# KiCad board ips20.kicad_pcb (continued)
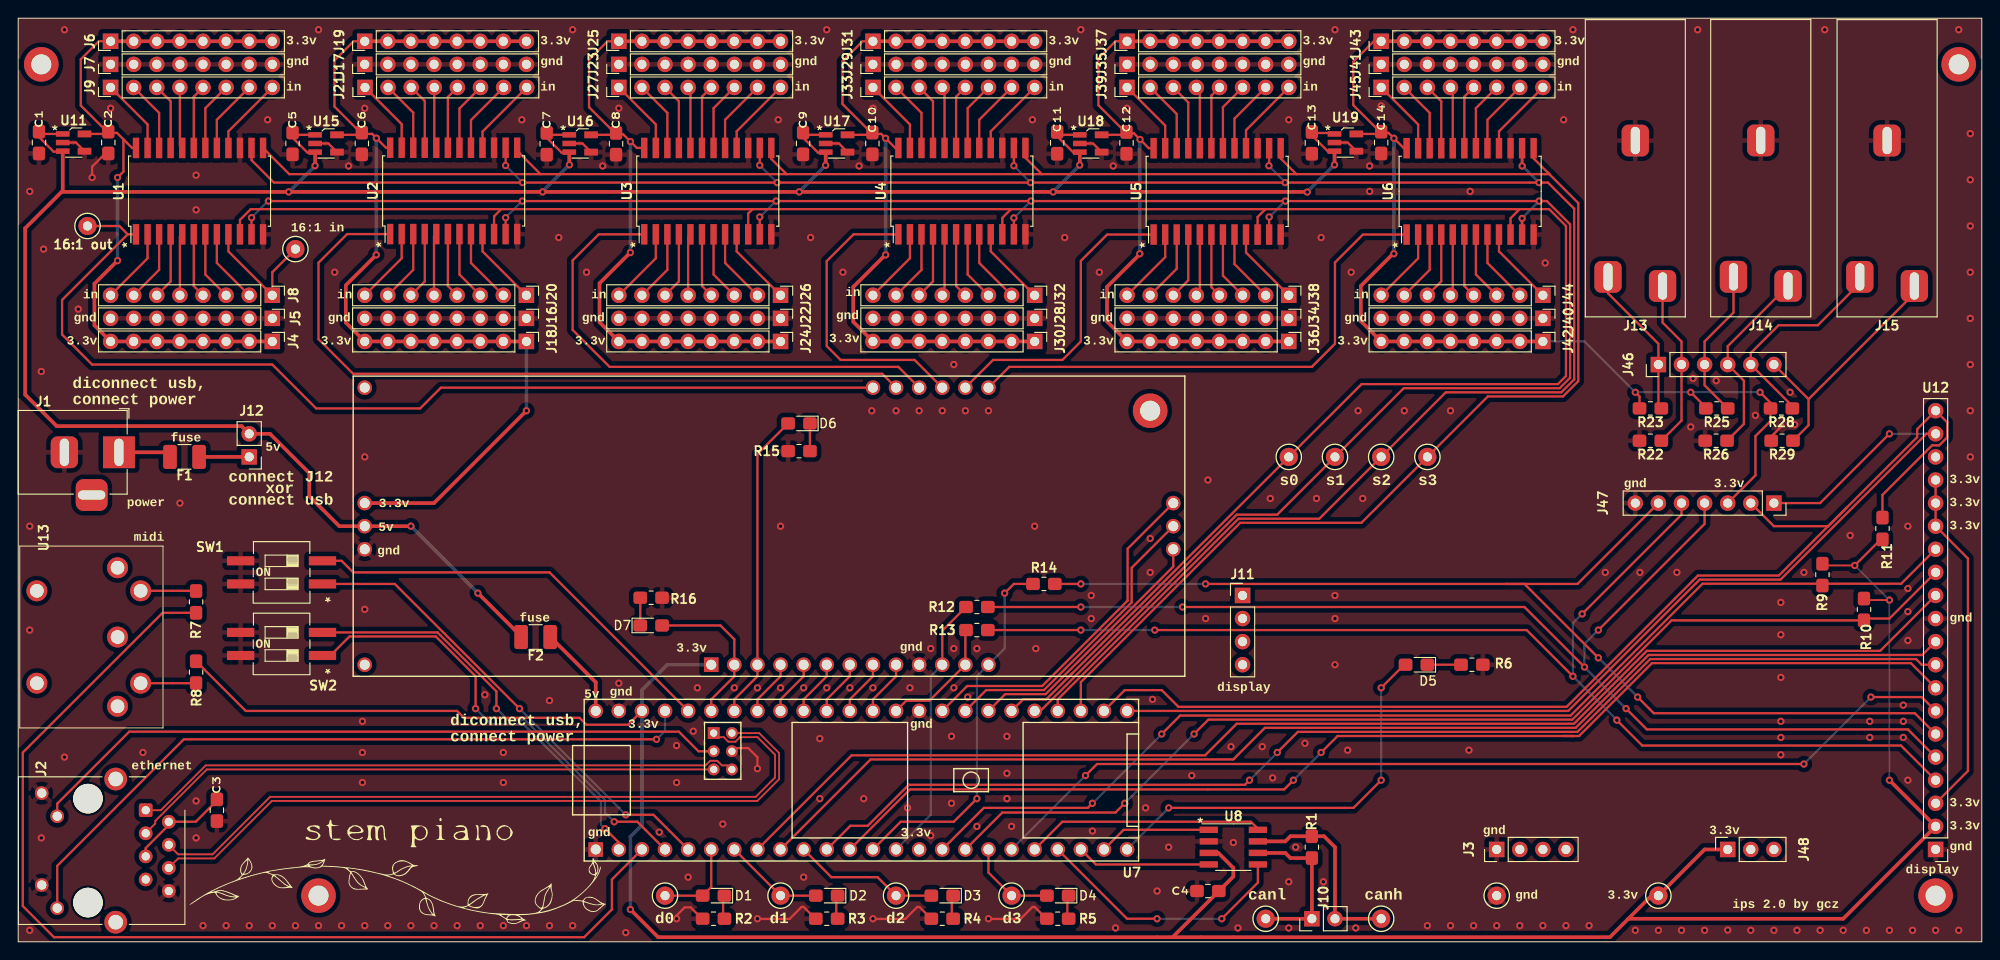
[diagram p0: board, top side]
## Nets (continued)
Net-(J44-Pin_3): J44.3 U6.7
Net-(J44-Pin_4): J44.4 U6.6
Net-(J44-Pin_5): J44.5 U6.5
Net-(J44-Pin_6): J44.6 U6.4
Net-(J44-Pin_7): J44.7 U6.3
Net-(J44-Pin_8): J44.8 U6.2
Net-(J45-Pin_1): J45.1 U6.23
Net-(J45-Pin_2): J45.2 U6.22
Net-(J45-Pin_3): J45.3 U6.21
Net-(J45-Pin_4): J45.4 U6.20
Net-(J45-Pin_5): J45.5 U6.19
Net-(J45-Pin_6): J45.6 U6.18
Net-(J45-Pin_7): J45.7 U6.17
Net-(J45-Pin_8): J45.8 U6.16
Net-(J46-Pin_1): J13.T J46.1 R23.1
Net-(J46-Pin_2): J13.TN J46.2 R22.1
Net-(J46-Pin_3): J14.T J46.3 R25.1
Net-(J46-Pin_4): J14.TN J46.4 R26.1
Net-(J46-Pin_5): J15.T J46.5 R28.1
Net-(J46-Pin_6): J15.TN J46.6 R29.1
Net-(J47-Pin_1): J47.1 U7.31 U12.19
Net-(J47-Pin_2): J47.2 R11.2 U7.32 U12.20
Net-(J47-Pin_4): J47.4 R12.2 U12.5
Net-(J47-Pin_5): J47.5 R13.2 U12.4
Net-(J47-Pin_6): J47.6 R14.2 U12.6
Net-(J48-Pin_1): C4.1 J48.1 R8.1 R9.1 R10.1 R11.1 TP22.1 U7.52 U8.3 U9.1 U12.2
Net-(U1-COM): TP5.1 U1.1 U9.22
Net-(U1-S0): TP12.1 U1.10 U2.10 U3.10 U4.10 U5.10 U6.10 U7.36
Net-(U1-S1): TP13.1 U1.11 U2.11 U3.11 U4.11 U5.11 U6.11 U7.35
Net-(U1-S2): TP14.1 U1.14 U2.14 U3.14 U4.14 U5.14 U6.14 U7.34
Net-(U1-S3): TP15.1 U1.13 U2.13 U3.13 U4.13 U5.13 U6.13 U7.33
Net-(U2-COM): U2.1 U9.21
Net-(U3-COM): U3.1 U9.20
Net-(U4-COM): U4.1 U9.19
Net-(U5-COM): U5.1 U9.18
Net-(U6-COM): U6.1 U9.17
Net-(U7-0_CS1_D7): SW2.1 U7.2
Net-(U7-1_MISO1_D6): R7.1 U7.3
Net-(U7-2_OUT2_D5): SW2.2 U7.4
Net-(U7-3_LRCLK2_D4): SW1.1 U7.5
Net-(U7-5VI/O): F2.2 U7.54
Net-(U7-11_MOSI): R14.1 U7.13 U9.13
Net-(U7-12_MISO): R12.1 U7.14 U9.11
Net-(U7-13_SCK): R13.1 U7.41 U9.12
Net-(U7-14_A0): U7.42 U9.9
Net-(U7-15_A1): U7.43 U9.8
Net-(U7-16_A2): U7.44 U9.7
Net-(U7-17_A3): U7.45 U9.6
Net-(U7-18_SDA_A4): U7.46 U9.5
Net-(U7-19_SCL_A5): U7.47 U9.4
Net-(U7-22_A8_TP2): SW1.2 U7.50
Net-(U7-28_RX7): U7.20 U8.8
Net-(U7-29_TX7): U7.21 U8.5
Net-(U7-30_CRX3): U7.22 U8.4
Net-(U7-31_CTX3): U7.23 U8.1
Net-(U7-39_A15_L6): U7.37 U9.14
Net-(U7-40_A16_L7): U7.38 U9.15
Net-(U7-41_A17): U7.39 U9.16
Net-(U12-3Vo): U12.3 U12.15 U12.16 U12.17
Net-(U12-CS): U7.19 U12.7
Net-(U12-D/C): U7.12 U12.8
Net-(U12-IRQ): U7.8 U12.12
Net-(U12-LITE): U7.9 U12.10
Net-(U12-RESET): U7.11 U12.9
Net-(U12-SCL): R9.2 U7.16 U12.14
Net-(U12-SDA): R10.2 U7.17 U12.13
Net-(U13-DATA): R7.2 U13.5
Net-(U13-VREF): R8.2 U13.4

Pads without a net: H1 1; H2 1; H3 1; H4 1; H5 1; J1 3; J2 7 13; J3 2 3 4; J11 1 2 3 4; J48 2 3; U7 15; U9 23 27; U12 18; U13 1 2 3

## Via types
v1: diameter 0.8, hole 0.4, Top to Bottom, 318 vias

## Routing (per net, layer and track width the routed paths; a pad name or vN(x,y) marks a point on that pad's centre or on a via; arc(x,y) is an arc through that point)
+5V: length 299
  Top w0.25: 88.79,86.82 87.93,86.82 86.3,88.45 C9.1 86.55,88.77 U17.1 ; U11.1 2.54,88.87 C1.1 2.29,88.53 3.9,86.92 4.9,86.92 ; 32.65,86.82 31.8,86.82 30.16,88.45 C5.1 30.41,88.77 U15.1 ; 144.73,86.92 144.03,86.92 142.24,88.71 C13.1 ; U18.1 114.55,88.77 C11.1 114.24,88.61 116.03,86.82 116.73,86.82 ; U16.1 58.33,88.77 C7.1 58.11,88.44 59.74,86.82 60.59,86.82 ; 142.27,88.97 144.73,88.97
  Top w0.4: v1(88.77,85.42) 88.79,85.43 88.79,86.77 ; 116.73,86.77 116.73,85.46 v1(116.71,85.45) ; v1(141.73,82.47) 141.72,82.49 v1(113.79,82.49) v1(85.88,82.49) v1(57.66,82.49) v1(29.74,82.49) 4.83,82.49 ; 114.3,88.87 114.24,88.93 114.24,88.58 ; 55.27,33.53 55.27,33.63 v1(50.55,38.35) ; v1(32.64,85.37) 32.65,85.38 32.65,86.77 ; 60.59,86.77 60.59,85.48 v1(60.6,85.47) ; v1(144.73,85.47) 144.73,85.47 144.73,86.87 ; U11.3 4.9,82.62 0.76,78.49 0.76,60.2 4.23,56.73 24.55,56.73 J12.2 27.69,55.88 32,51.56 32,49.02 35.31,45.72 v1(43.18,45.72) ; 86.3,88.58 86.3,88.87 ; 30.16,88.58 30.16,88.87
  Bottom w0.4: v1(32.64,85.37) 29.76,82.49 v1(29.74,82.49) ; v1(43.18,45.72) v1(50.55,38.35) ; v1(113.79,82.49) 113.79,82.52 v1(116.71,85.45) ; v1(144.73,85.47) v1(141.73,82.47) ; v1(88.77,85.42) 85.88,82.52 v1(85.88,82.49) ; v1(57.66,82.49) 57.66,82.52 v1(60.6,85.47)
GND: length 53.9
  Top w0.25: U7.28 78.47,20.96 78.82,21.31 80.26,21.31 81.28,20.29 v1(81.28,19.05) ; U16.4 62.04,87.82 U16.2 ; U11.2 6.35,87.92 U11.4 ; 194.06,56.9 192.74,55.58 R29.2 ; R3.2 87.66,2.54 86.36,3.84 86.13,3.84 84.81,2.51 81.31,2.51 v1(81.28,2.54) ; U19.2 146.18,87.92 U19.4 ; R5.2 113.06,2.54 111.76,3.84 111.53,3.84 110.21,2.51 106.71,2.51 v1(106.68,2.54) ; v1(72.39,2.54) 72.39,2.9 73.28,3.78 73.94,3.78 75.18,2.54 R2.2 ; C2.2 9.58,86.72 8.13,85.27 v1(8.13,84.07) ; U17.2 90.24,87.82 U17.4 ; 94.01,2.54 94.03,2.51 97.54,2.51 98.86,3.84 99.09,3.84 100.38,2.54 100.43,2.54 ; U15.4 34.1,87.82 U15.2 ; U18.4 118.18,87.82 U18.2
  vias: v1(1.27,82.55) v1(1.27,45.72) v1(1.27,34.29) v1(1.27,1.27) v1(2.54,62.74) v1(2.54,11.43) v1(2.79,76.2) v1(5.08,100.33) v1(5.08,20.32) v1(6.6,69.6) v1(10.16,91.69) v1(13.72,20.83) v1(17.78,48.26) v1(19.56,84.33) v1(19.56,80.52) v1(19.56,15.49) v1(19.56,11.43) v1(20.32,1.78) v1(22.86,1.78) v1(25.4,1.78) v1(27.43,90.42) v1(27.94,1.78) v1(30.48,1.78) v1(33.02,100.33) v1(33.02,1.78) v1(34.8,73.66) v1(35.56,1.78) v1(36.32,85.34) v1(37.85,24.26) v1(37.85,20.83) v1(37.85,17.53) v1(38.1,91.69) v1(38.1,53.34) v1(38.1,36.58) v1(38.1,1.78) v1(40.64,1.78) v1(43.18,1.78) v1(45.72,1.78) v1(48.26,1.78) v1(50.8,1.78) v1(51.31,27.18) v1(53.34,20.83) v1(53.34,17.53) v1(53.34,1.78) v1(55.37,90.42) v1(55.88,1.78) v1(58.42,26.54) v1(58.42,1.78) v1(59.44,77.47) v1(60.96,100.33) v1(60.96,1.78) v1(62.48,73.66) v1(64.26,85.34) v1(66.04,91.69) v1(66.04,28.45) v1(66.8,1.02) v1(70.49,12.06) v1(72.39,21.59) v1(72.39,17.53) v1(73.66,7.11) v1(74.22,23.16) v1(74.68,27.94) v1(77.47,12.95) v1(78.74,27.94) v1(81.28,27.94) v1(83.57,90.42) v1(83.82,45.72) v1(83.82,27.94) v1(86.36,27.94) v1(86.36,7.11) v1(87.12,77.47) v1(88.14,22.35) v1(88.14,15.75) v1(88.9,100.33) v1(88.9,27.94) v1(90.68,73.66) v1(91.44,27.94) v1(92.46,85.34) v1(92.96,15.75) v1(93.85,58.42) v1(93.98,91.69) v1(93.98,27.94) v1(93.98,2.54) v1(96.52,58.42) v1(97.79,14.73) v1(98.04,27.94) v1(99.06,58.42) v1(100.33,32.26) v1(100.33,11.68) v1(101.6,58.42) v1(102.62,22.61) v1(102.62,15.24) v1(102.87,63.5) v1(102.87,32.26) v1(102.87,27.94) v1(104.14,58.42) v1(104.39,26.92) v1(105.41,32.26) v1(105.41,12.7) v1(106.68,58.42) v1(108.71,22.61) v1(108.71,18.54) v1(108.71,15.75) v1(109.22,12.7) v1(111.51,90.42) v1(111.76,45.72) v1(111.89,32.26) v1(115.06,77.47) v1(116.84,100.33) v1(117.98,38.1) v1(117.98,35.56) v1(118.11,12.19) v1(118.87,73.66) v1(120.4,85.34) v1(120.65,1.52) v1(121.92,91.69) v1(123.95,14.73) v1(124.46,44.37) v1(124.46,40.64) v1(124.71,26.67) v1(125.22,5.59) v1(126.49,10.41) v1(129.03,18.29) v1(130.56,35.56) v1(130.81,50.8) v1(133.35,21.46) v1(133.6,10.92) v1(134.11,1.52) v1(136.78,21.46) v1(137.67,48.77) v1(137.92,18.03) v1(139.7,90.42) v1(139.7,6.6) v1(139.7,1.52) v1(140.46,10.41) v1(141.48,21.84) v1(142.75,48.77) v1(143.26,77.47) v1(143.51,6.6) v1(144.78,100.33) v1(144.78,38.1) v1(144.78,35.56) v1(144.78,30.48) v1(146.18,21.08) v1(146.56,73.66) v1(147.07,1.52) v1(147.32,58.42) v1(147.83,48.77) v1(148.59,85.34) v1(148.59,82.55) v1(149.86,91.95) v1(152.4,58.42) v1(154.94,1.78) v1(157.48,58.42) v1(157.48,1.78) v1(159.51,21.08) v1(159.64,82.55) v1(160.02,1.78) v1(162.56,1.78) v1(165.1,1.78) v1(167.64,1.78) v1(167.89,74.68) v1(169.93,90.42) v1(170.18,1.78) v1(170.94,100.33) v1(172.72,1.78) v1(174.5,40.64) v1(177.8,1.27) v1(178.31,40.64) v1(180.34,1.27) v1(182.37,40.64) v1(182.88,1.27) v1(183.9,56.64) v1(184.15,61.98) v1(184.66,100.33) v1(185.42,1.27) v1(186.69,61.72) v1(187.96,1.29) v1(190.5,1.27) v1(191.01,57.91) v1(193.04,1.27) v1(193.8,37.34) v1(193.8,33.78) v1(193.8,29.08) v1(193.8,24.26) v1(193.8,22.48) v1(193.8,20.57) v1(194.82,60.45) v1(195.33,56.9) v1(195.58,1.27) v1(196.34,40.64) v1(198.12,1.27) v1(198.63,100.33) v1(200.66,1.27) v1(201.42,44.7) v1(203.2,1.27) v1(203.58,24.26) v1(203.58,22.48) v1(205.74,1.27) v1(207.26,26.04) v1(207.26,24.26) v1(207.26,22.48) v1(207.77,45.72) v1(207.77,38.86) v1(207.77,36.32) v1(207.77,33.15) v1(207.77,17.78) v1(208.28,1.27) v1(210.82,1.27) v1(213.36,100.33) v1(213.36,1.27) v1(214.63,88.9) v1(214.63,83.82) v1(214.63,78.74) v1(214.63,73.66) v1(214.63,68.58) v1(214.63,63.5) v1(214.63,58.42) v1(214.63,53.34)
/RD+: length 81.3
  Top w0.2: 16.54,10.67 17.59,9.62 21.37,9.62 27.7,15.95 81.09,15.95 83.21,18.08 83.21,20.58 81.28,22.51 79.36,22.51 78.86,22.01 78.08,22.01 77.58,22.51 76.92,22.51 U7.26
/RD-: length 80.1
  Top w0.2: 16.54,8.13 17.59,9.17 21.56,9.17 27.88,15.5 81.27,15.5 83.66,17.89 83.66,20.77 81.47,22.96 U7.25
/TD+: length 67.1
  Top w0.2: U7.30 78.02,19.41 77.36,19.41 76.86,19.91 76.08,19.91 75.58,19.41 20.62,19.41 15.69,14.48 14,14.48
/TD-: length 65.5
  Top w0.2: 14,11.94 15.07,13.01 15.07,13.29 20.74,18.96 U7.29
Net-(D1-A): length 9.6
  Top w0.25: U7.6 76.2,6.03 D1.2 TP8.1
Net-(D1-K): length 2.5
  Top w0.25: 77.5,5.08 77.5,2.58
Net-(D2-A): length 11.1
  Top w0.25: U7.7 TP9.1 D2.2
Net-(D2-K): length 2.5
  Top w0.25: 89.95,5.08 89.95,2.58
Net-(D3-A): length 16.3
  Top w0.25: 100.55,5.08 TP10.1 94.49,7.11 89.41,7.11 U7.10
Net-(D3-K): length 2.5
  Top w0.25: 102.65,5.08 102.65,2.58
Net-(D4-A): length 10.2
  Top w0.25: 113.25,5.08 TP11.1 106.68,7.62 U7.18
Net-(D4-K): length 2.5
  Top w0.25: 115.35,5.08 115.35,2.58
Net-(D5-A): length 45
  Top w0.25: D5.2 152.4,30.48 v1(149.86,27.94) ; v1(149.86,17.78) 146.81,14.73 v1(126.49,14.73)
  Bottom w0.25: v1(149.86,27.94) v1(149.86,17.78) ; U7.24 v1(126.49,14.73)
Net-(D5-K): length 3.7
  Top w0.25: D5.1 R6.1
Net-(D6-A): length 34.1
  Top w0.25: D6.2 81.28,53.65 U9.3 81.28,29.21 78.74,26.67 U7.48
Net-(D6-K): length 3
  Top w0.25: R15.1 D6.1
Net-(D7-A): length 17.5
  Top w0.25: U7.49 76.2,26.67 78.74,29.21 U9.2 78.74,33.27 77.22,34.8 D7.2
Net-(D7-K): length 3
  Top w0.25: D7.1 R16.1
Net-(J1-VOUT): length 5.8
  Top w0.25: 16.66,53.34 16.16,53.85
  Top w0.4: 16.16,53.85 J1.1
Net-(J2-LEDG_A): length 77.7
  Top w0.25: U7.27 74.8,20.96 72.64,23.11 12.21,23.11 4.29,15.2 J2.10
Net-(J2-LEDY_A): length 79.8
  Top w0.25: J2.12 4.29,8.35 18.21,22.28 v1(70.18,22.28)
  Bottom w0.25: v1(70.18,22.28) 71.12,23.22 U7.51
Net-(J2-RCT): length 11.1
  Top w0.25: J2.5 14.02,10.31 16.56,12.85 J2.2 19.52,13.21 21.84,15.53
Net-(J4-Pin_1): length 79.7
  Top w0.25: 11.57,88.28 12.52,87.33 U1.24 ; 11.57,88.28 11.57,84.72 v1(10.92,84.07) ; 11.57,88.28 10.87,88.98 9.91,88.98 9.91,88.97 ; J6.1 8.86,99.06 6.88,97.08 6.88,91.99 9.91,88.97 ; 9.91,88.97 9.81,88.87 U11.5
  Top w0.4: v1(10.92,74.93) 8.38,72.39 8.38,67.82 J4.8 J4.1 ; J6.1 J6.8
  Bottom w0.4: v1(10.92,74.93) v1(10.92,84.07)
Net-(J8-Pin_1): length 14.8
  Top w0.25: U1.9 23.11,75.95 J8.1 27.94,73.66 TP19.1
Net-(J8-Pin_2): length 8.2
  Top w0.25: U1.8 21.84,74.68 J8.2
Net-(J8-Pin_3): length 7.7
  Top w0.25: U1.7 20.57,73.41 J8.3
Net-(J8-Pin_4): length 7.1
  Top w0.25: U1.6 19.3,72.14 J8.4
Net-(J8-Pin_5): length 6.8
  Top w0.25: U1.5 17.78,77.57 J8.5
Net-(J8-Pin_6): length 7.3
  Top w0.25: U1.4 16.76,72.64 J8.6
Net-(J8-Pin_7): length 7.9
  Top w0.25: U1.3 15.49,73.91 J8.7
Net-(J8-Pin_8): length 8.4
  Top w0.25: U1.2 14.22,75.18 J8.8
Net-(J9-Pin_1): length 8.3
  Top w0.25: U1.23 14.22,89.92 J9.1
Net-(J9-Pin_2): length 7.8
  Top w0.25: J9.2 15.49,91.19 U1.22
Net-(J9-Pin_3): length 7.3
  Top w0.25: J9.3 16.76,92.46 U1.21
Net-(J9-Pin_4): length 6.8
  Top w0.25: J9.4 17.78,87.58 U1.20
Net-(J9-Pin_5): length 7.1
  Top w0.25: J9.5 19.3,92.96 U1.19
Net-(J9-Pin_6): length 7.6
  Top w0.25: U1.18 20.57,91.69 J9.6
Net-(J9-Pin_7): length 8.1
  Top w0.25: J9.7 21.84,90.42 U1.17
Net-(J9-Pin_8): length 8.7
  Top w0.25: J9.8 23.11,89.15 U1.16
Net-(J10-Pin_1): length 17.8
  Top w0.4: TP7.1 J10.1 R1.2 139.88,9.21 139.32,9.78 136.43,9.78
Net-(J10-Pin_2): length 22
  Top w0.4: 136.43,11.05 139.32,11.05 139.88,11.61 R1.1 143.58,11.61 144.78,10.41 J10.2 TP6.1
Net-(J12-Pin_1): length 5.5
  Top w0.4: J12.1 19.91,53.34
Net-(J18-Pin_1): length 109.8
  Top w0.25: U15.5 37.68,88.77 37.78,88.87 ; 37.78,88.87 34.77,91.88 34.77,96.95 36.88,99.06 J19.1 ; 37.78,88.87 38.91,88.87 38.91,88.87 v1(39.38,88.4) 40.44,87.35 U2.24 ; 36.02,72.04 36.02,72.22
  Top w0.4: 36.02,72.04 36.02,68.12 J18.8 J18.1 ; U9.24 45.72,48.26 v1(55.88,58.42) ; 36.02,72.22 v1(39.37,75.57) ; J19.1 J19.8
  Bottom w0.25: 39.37,88.39 v1(39.38,88.4)
  Bottom w0.4: v1(39.37,75.57) 39.37,88.39 ; v1(55.88,58.42) J18.1
Net-(J20-Pin_1): length 8.7
  Top w0.25: 51.05,77.85 51.05,75.95 J20.1
Net-(J20-Pin_2): length 8.2
  Top w0.25: 49.78,77.85 49.78,74.68 J20.2
Net-(J20-Pin_3): length 7.7
  Top w0.25: 48.51,77.85 48.51,73.41 J20.3
Net-(J20-Pin_4): length 7.2
  Top w0.25: J20.4 47.24,72.14 47.24,77.85
Net-(J20-Pin_5): length 6.8
  Top w0.25: 45.97,77.85 45.72,77.6 J20.5
Net-(J20-Pin_6): length 7.4
  Top w0.25: 44.7,77.85 44.7,72.64 J20.6
Net-(J20-Pin_7): length 7.9
  Top w0.25: 43.43,77.85 43.43,73.91 J20.7
Net-(J20-Pin_8): length 8.4
  Top w0.25: 42.16,77.85 42.16,75.18 J20.8
Net-(J21-Pin_1): length 8.3
  Top w0.25: J21.1 42.16,89.95 U2.23
Net-(J21-Pin_2): length 7.8
  Top w0.25: U2.22 43.43,91.22 J21.2
Net-(J21-Pin_3): length 7.2
  Top w0.25: U2.21 44.7,92.49 J21.3
Net-(J21-Pin_4): length 6.7
  Top w0.25: U2.20 45.75,87.58 J21.4
Net-(J21-Pin_5): length 7.1
  Top w0.25: J21.5 47.24,92.93 U2.19
Net-(J21-Pin_6): length 7.6
  Top w0.25: J21.6 48.51,91.66 U2.18
Net-(J21-Pin_7): length 8.1
  Top w0.25: J21.7 49.78,90.39 U2.17
Net-(J21-Pin_8): length 8.6
  Top w0.25: U2.16 51.05,89.12 J21.8
Net-(J24-Pin_1): length 79.9
  Top w0.25: J25.1 64.8,99.06 62.76,97.03 62.76,91.81 65.73,88.84 ; U16.5 65.67,88.77 65.73,88.84 ; 65.73,88.84 66.51,88.84 v1(67.31,88.03) 68.02,87.33 U3.24 ; 67.3,75.82 v1(67.31,75.82)
  Top w0.4: J25.1 J25.8 ; J24.1 J24.8 63.92,68.16 63.92,72.44 67.3,75.82
  Bottom w0.25: 67.31,88.03 v1(67.31,88.03)
  Bottom w0.4: v1(67.31,75.82) 67.31,88.03
Net-(J26-Pin_1): length 8.7
  Top w0.25: U3.9 78.99,75.95 J26.1
Net-(J26-Pin_2): length 8.2
  Top w0.25: U3.8 77.72,74.68 J26.2
Net-(J26-Pin_3): length 7.7
  Top w0.25: U3.7 76.45,73.41 J26.3
Net-(J26-Pin_4): length 7.1
  Top w0.25: J26.4 75.18,72.14 U3.6
Net-(J26-Pin_5): length 6.8
  Top w0.25: J26.5 73.66,77.57 U3.5
Net-(J26-Pin_6): length 7.3
  Top w0.25: U3.4 72.64,72.64 J26.6
Net-(J26-Pin_7): length 7.9
  Top w0.25: J26.7 71.37,73.91 U3.3
Net-(J26-Pin_8): length 8.4
  Top w0.25: U3.2 70.1,75.18 J26.8
Net-(J27-Pin_1): length 8.3
  Top w0.25: J27.1 70.1,89.92 U3.23
Net-(J27-Pin_2): length 7.8
  Top w0.25: U3.22 71.37,91.19 J27.2
Net-(J27-Pin_3): length 7.3
  Top w0.25: U3.21 72.64,92.46 J27.3
Net-(J27-Pin_4): length 6.8
  Top w0.25: J27.4 73.91,93.73 U3.20
Net-(J27-Pin_5): length 7.1
  Top w0.25: U3.19 75.18,92.96 J27.5
Net-(J27-Pin_6): length 7.6
  Top w0.25: J27.6 76.45,91.69 U3.18
Net-(J27-Pin_7): length 8.1
  Top w0.25: J27.7 77.72,90.42 U3.17
Net-(J27-Pin_8): length 8.7
  Top w0.25: J27.8 78.99,89.15 U3.16
Net-(J30-Pin_1): length 80.1
  Top w0.25: 93.92,88.87 93.82,88.77 U17.5 ; 93.92,88.87 94.89,88.87 v1(95.37,88.39) 96.43,87.33 U4.24 ; 93.92,88.87 90.63,92.16 90.63,96.85 92.84,99.06 J31.1
  Top w0.4: 95.32,75.54 91.82,72.04 91.82,68.2 J30.8 J30.1 ; J31.1 J31.8
  Bottom w0.25: 95.38,88.38 v1(95.37,88.39)
  Bottom w0.4: v1(95.38,75.57) 95.38,88.38
Net-(J32-Pin_1): length 8.7
  Top w0.25: J32.1 106.93,75.95 U4.9
Net-(J32-Pin_2): length 8.2
  Top w0.25: J32.2 105.66,74.68 U4.8
Net-(J32-Pin_3): length 7.7
  Top w0.25: J32.3 104.39,73.41 U4.7
Net-(J32-Pin_4): length 7.1
  Top w0.25: J32.4 103.12,72.14 U4.6
Net-(J32-Pin_5): length 6.8
  Top w0.25: J32.5 101.85,71.37 U4.5
Net-(J32-Pin_6): length 7.3
  Top w0.25: U4.4 100.58,72.64 J32.6
Net-(J32-Pin_7): length 7.9
  Top w0.25: J32.7 99.31,73.91 U4.3
Net-(J32-Pin_8): length 8.4
  Top w0.25: U4.2 98.04,75.18 J32.8
Net-(J33-Pin_1): length 8.3
  Top w0.25: U4.23 98.04,89.92 J33.1
Net-(J33-Pin_2): length 7.8
  Top w0.25: J33.2 99.31,91.19 U4.22
Net-(J33-Pin_3): length 7.3
  Top w0.25: J33.3 100.58,92.46 U4.21
Net-(J33-Pin_4): length 6.8
  Top w0.25: J33.4 101.85,93.73 U4.20
Net-(J33-Pin_5): length 7.1
  Top w0.25: U4.19 103.12,92.96 J33.5
Net-(J33-Pin_6): length 7.6
  Top w0.25: U4.18 104.39,91.69 J33.6
Net-(J33-Pin_7): length 8.1
  Top w0.25: J33.7 105.66,90.42 U4.17
Net-(J33-Pin_8): length 8.7
  Top w0.25: J33.8 106.93,89.15 U4.16
Net-(J36-Pin_1): length 80.1
  Top w0.25: U18.5 121.69,88.77 121.86,88.93 ; 121.86,88.93 118.77,92.02 118.77,97.18 120.65,99.06 J37.1 ; 121.86,88.93 122.67,88.93 v1(123.34,88.26) 124.31,87.3 U5.24
  Top w0.4: J37.1 J37.8 ; J36.1 J36.8 119.72,68.24 119.72,72.04 123.32,75.64
  Bottom w0.25: 123.32,88.24 v1(123.34,88.26)
  Bottom w0.4: v1(123.32,75.69) 123.32,88.24
Net-(J38-Pin_1): length 8.6
  Top w0.25: J38.1 135,75.82 U5.9
Net-(J38-Pin_2): length 8.1
  Top w0.25: J38.2 133.73,74.55 U5.8
Net-(J38-Pin_3): length 7.6
  Top w0.25: J38.3 132.46,73.28 U5.7
Net-(J38-Pin_4): length 7
  Top w0.25: U5.6 131.19,72.01 J38.4
Net-(J38-Pin_5): length 6.8
  Top w0.25: U5.5 129.92,71.5 J38.5
Net-(J38-Pin_6): length 7.4
  Top w0.25: J38.6 128.65,72.77 U5.4
Net-(J38-Pin_7): length 7.9
  Top w0.25: J38.7 127.38,74.04 U5.3
Net-(J38-Pin_8): length 8.4
  Top w0.25: U5.2 126.11,75.31 J38.8
Net-(J39-Pin_1): length 8.4
  Top w0.25: U5.23 126.11,89.79 J39.1
Net-(J39-Pin_2): length 7.9
  Top w0.25: U5.22 127.38,91.06 J39.2
Net-(J39-Pin_3): length 7.4
  Top w0.25: U5.21 128.65,92.33 J39.3
Net-(J39-Pin_4): length 6.8
  Top w0.25: J39.4 129.92,93.6 U5.20
Net-(J39-Pin_5): length 7
  Top w0.25: J39.5 131.19,93.09 U5.19
Net-(J39-Pin_6): length 7.6
  Top w0.25: U5.18 132.46,91.82 J39.6
Net-(J39-Pin_7): length 8.1
  Top w0.25: U5.17 133.73,90.55 J39.7
Net-(J39-Pin_8): length 8.6
  Top w0.25: U5.16 135,89.28 J39.8
Net-(J42-Pin_1): length 125.1
  Top w0.25: 149.86,88.97 149.76,88.87 U19.5 ; 149.86,88.97 146.79,92.04 146.79,96.8 149.05,99.06 J43.1 ; 149.86,88.97 150.66,88.97 150.67,88.98 151.21,88.43 ; v1(151.26,88.39) 152.35,87.3 U6.24 ; 151.22,75.74 151.26,75.78 v1(151.26,75.69) 151.17,75.69 ; v1(177.8,60.45) 178.26,59.99 R23.2 ; J47.3 191.01,51.31 191.01,55.63 192.67,57.29 R28.2 192.67,59.3 v1(191.52,60.45) ; v1(183.9,60.45) 185.56,58.79 R25.2
  Top w0.4: 151.17,75.69 147.62,72.14 147.62,68.28 J42.8 J42.1 ; J43.1 J43.8
  Bottom w0.25: J42.1 172.21,66.04 v1(177.8,60.45) v1(183.9,60.45) v1(191.52,60.45)
  Bottom w0.4: v1(151.26,88.39) v1(151.26,75.69)
Net-(J44-Pin_1): length 8.7
  Top w0.25: J44.1 162.81,75.95 U6.9
Net-(J44-Pin_2): length 8.2
  Top w0.25: J44.2 161.54,74.68 U6.8
Net-(J44-Pin_3): length 7.6
  Top w0.25: U6.7 160.27,73.41 J44.3
Net-(J44-Pin_4): length 7.1
  Top w0.25: U6.6 159,72.14 J44.4
Net-(J44-Pin_5): length 6.8
  Top w0.25: J44.5 157.73,71.37 U6.5
Net-(J44-Pin_6): length 7.3
  Top w0.25: J44.6 156.46,72.64 U6.4
Net-(J44-Pin_7): length 7.8
  Top w0.25: U6.3 155.19,73.91 J44.7
Net-(J44-Pin_8): length 8.4
  Top w0.25: U6.2 153.92,75.18 J44.8
Net-(J45-Pin_1): length 8.4
  Top w0.25: J45.1 153.92,89.92 U6.23
Net-(J45-Pin_2): length 7.8
  Top w0.25: J45.2 155.19,91.19 U6.22
Net-(J45-Pin_3): length 7.3
  Top w0.25: J45.3 156.46,92.46 U6.21
Net-(J45-Pin_4): length 6.8
  Top w0.25: J45.4 157.73,93.73 U6.20
Net-(J45-Pin_5): length 7.1
  Top w0.25: U6.19 159,92.96 J45.5
Net-(J45-Pin_6): length 7.6
  Top w0.25: J45.6 160.27,91.69 U6.18
Net-(J45-Pin_7): length 8.2
  Top w0.25: J45.7 161.54,90.42 U6.17
Net-(J45-Pin_8): length 8.7
  Top w0.25: U6.16 162.81,89.15 J45.8
Net-(J46-Pin_1): length 16.4
  Top w0.25: J13.T 174.8,71.33 180.34,65.79 J46.1 180.34,59
Net-(J46-Pin_2): length 18.8
  Top w0.25: R22.1 182.88,57.33 J46.2 182.88,66.04 180.8,68.12 J13.TN
Net-(J46-Pin_3): length 16.8
  Top w0.25: J14.T 188.59,69.22 185.42,66.04 J46.3 185.42,61.21 R25.1
Net-(J46-Pin_4): length 21.3
  Top w0.25: J14.TN 187.96,65.52 J46.4 189.74,61.72 189.74,56.97 R26.1
Net-(J46-Pin_5): length 23.9
  Top w0.25: R28.1 195.07,58.93 J46.5 190.5,64.77 193.55,67.82 197.87,67.82 202.49,72.44 J15.T
Net-(J46-Pin_6): length 27.9
  Top w0.25: J46.6 196.85,59.69 ; 196.85,59.69 208.49,71.33 J15.TN ; 196.85,59.69 196.85,56.83 R29.1
Net-(J47-Pin_1): length 122.5
  Top w0.25: J47.1 198.12,48.26 v1(205.74,55.88) ; U7.31 170.43,25.4 184.88,39.84 193.77,39.84 209.8,55.88 U12.19
  Bottom w0.25: v1(205.74,55.88) U12.19
Net-(J47-Pin_2): length 135.2
  Top w0.25: U7.32 121.67,27.69 125.73,27.69 127.57,25.85 170.25,25.85 184.69,40.29 193.58,40.29 197.43,44.14 197.43,44.15 200.97,47.69 ; R11.2 204.98,49.16 210.43,54.61 211.21,54.61 212.09,55.49 212.09,57.15 U12.20 208.79,56.39 208.79,55.51 200.97,47.69 ; 200.97,47.69 200.97,47.68 199.01,45.72 193.04,45.72 J47.2
Net-(J47-Pin_4): length 134.5
  Top w0.25: J47.4 185.42,45.97 v1(173.74,34.29) ; v1(172.21,30.23) 165.61,36.83 v1(128.02,36.83) ; 106.68,36.83 v1(116.84,36.83) ; v1(176.78,25.65) 179.07,23.37 207.77,23.37 U12.5
  Bottom w0.25: v1(116.84,36.83) v1(128.02,36.83) ; v1(176.78,25.65) v1(172.21,30.23) 172.21,32.77 v1(173.74,34.29)
Net-(J47-Pin_5): length 135
  Top w0.25: v1(170.94,29.21) 165.86,34.29 v1(124.97,34.29) ; J47.5 182.88,46.99 v1(171.96,36.07) ; v1(175.77,24.38) 178.56,21.59 207.01,21.59 U12.4 ; R13.2 v1(116.84,34.29)
  Bottom w0.25: v1(175.77,24.38) v1(170.94,29.21) 170.94,35.05 v1(171.96,36.07) ; v1(116.84,34.29) v1(124.97,34.29)
Net-(J47-Pin_6): length 124.1
  Top w0.25: 163.58,39.37 165.61,39.37 v1(173.74,31.24) ; 163.58,39.37 171.45,39.37 J47.6 ; 163.58,39.37 v1(130.56,39.37) ; U12.6 208.53,25.15 179.83,25.15 v1(178.05,26.92) ; R14.2 v1(116.84,39.37)
  Bottom w0.25: v1(178.05,26.92) v1(173.74,31.24) ; v1(116.84,39.37) v1(130.56,39.37)
Net-(J48-Pin_1): length 308.3
  Top w0.2: v1(205.74,37.59) 202.97,37.59 ; v1(201.93,41.4) 198.37,41.4
  Top w0.25: R11.1 204.79,44.27 v1(201.93,41.4) ; U7.52 67.06,23.88 62.48,23.88 61.72,24.64 49.02,24.64 48.26,25.4 25.02,25.4 19.56,30.86 ; 126.93,0.51 125.22,0.51
  Top w0.4: 177.04,2.54 175.01,0.51 70.36,0.51 v1(67.31,3.56) ; 177.04,2.54 200.66,2.54 U12.2 v1(205.74,17.78) ; 177.04,2.54 179.58,5.08 TP22.1 185.42,10.16 J48.1 ; U8.3 131.95,9.78 133.6,8.13 133.6,7.18 C4.1 126.93,0.51
  Bottom w0.2: v1(205.74,17.78) v1(205.74,37.59) v1(201.93,41.4)
  Bottom w0.4: v1(67.31,3.56) 67.31,11.56 68.58,12.83 U7.52 68.58,27.69 71.37,30.48 U9.1
Net-(U1-COM): length 113.2
  Top w0.25: 12.04,77.83 4.83,70.61 4.83,66.8 8.13,63.5 27.94,63.5 32.77,58.67 44.2,58.67 46.48,60.96 U9.22 ; 12.04,77.83 U1.1 ; 12.04,77.83 11.13,78.74 TP5.1
Net-(U1-S0): length 258
  Top w0.25: U7.36 110.49,26.67 113.03,26.67 115.95,29.59 ; 80.75,80.6 80.26,80.11 U3.10 ; 80.75,80.6 109.17,80.6 ; 80.75,80.6 53.11,80.6 ; 164.59,80.6 137.13,80.6 ; 164.59,80.6 168.32,80.6 170.18,78.74 170.18,62.23 169.29,61.35 147.71,61.35 115.57,29.21 ; 164.59,80.6 165.09,80.6 164.08,79.59 U6.10 ; 137.13,80.6 109.17,80.6 ; 137.13,80.6 136.27,79.73 U5.10 ; 53.11,80.6 52.32,79.81 52.32,77.85 ; 53.11,80.6 25.57,80.6 24.38,79.41 U1.10 ; 109.17,80.6 108.2,79.63 U4.10
Net-(U1-S1): length 261.7
  Top w0.25: U4.11 v1(109.47,79.63) ; 53.59,77.85 v1(53.59,79.65) ; U7.35 112.4,25.4 133.99,46.99 138.43,46.99 152.34,60.9 169.48,60.9 170.63,62.05 170.63,78.93 168.07,81.49 167.24,81.49 v1(167.23,81.48) 167.23,81.49 v1(111.35,81.49) v1(83.34,81.49) v1(55.42,81.49) v1(27.51,81.49) ; U1.11 v1(25.65,79.65) ; U3.11 v1(81.53,79.73) ; U5.11 v1(137.54,79.73)
  Top w0.3: U6.11 v1(165.35,79.58)
  Bottom w0.25: v1(53.59,79.65) 55.42,81.48 v1(55.42,81.49) ; v1(137.54,79.73) 137.57,79.73 v1(139.32,81.48) ; v1(109.47,79.63) 111.33,81.49 v1(111.35,81.49) ; v1(25.65,79.65) 27.48,81.49 v1(27.51,81.49) ; v1(83.34,81.49) 83.29,81.49 v1(81.53,79.73)
  Bottom w0.3: 165.35,79.62 167.22,81.49
Net-(U1-S2): length 263.2
  Top w0.25: U1.14 25.65,85.98 28.12,83.52 v1(55.45,83.52) v1(83.44,83.52) v1(111.3,83.52) v1(139.29,83.52) 167.21,83.52 v1(167.21,83.52) 167.21,83.52 168.2,83.52 171.08,80.63 171.08,61.86 169.67,60.45 156.97,60.45 143.06,46.54 134.17,46.54 114.3,26.67 U7.34 ; v1(137.52,85.37) 137.54,85.39 U5.14 ; U3.14 v1(81.53,85.42) ; U4.14 v1(109.47,85.37) ; U2.14 v1(53.59,85.39)
  Top w0.3: U6.14 165.35,85.4 165.34,85.39
  Bottom w0.25: v1(137.52,85.37) 139.29,83.59 v1(139.29,83.52) ; v1(109.47,85.37) 111.3,83.54 v1(111.3,83.52) ; v1(83.44,83.52) 83.44,83.52 v1(81.53,85.42) ; v1(55.45,83.52) 55.45,83.54 v1(53.59,85.39)
  Bottom w0.3: 165.39,85.34 167.22,83.52
  vias: v1(165.35,85.34)
Net-(U1-S3): length 256.8
  Top w0.25: U2.13 54.86,87.01 57.43,84.44 ; U3.13 82.8,86.12 84.48,84.44 ; 168.18,84.61 168.35,84.44 140.54,84.44 ; 168.18,84.61 166.62,86.17 U6.13 ; 168.18,84.61 171.53,81.26 171.53,61.67 169.85,60 161.6,60 147.69,46.09 134.36,46.09 116.84,28.57 U7.33 ; 84.48,84.44 112.55,84.44 ; 84.48,84.44 57.43,84.44 ; 112.55,84.44 110.74,86.25 U4.13 ; 112.55,84.44 140.54,84.44 ; 140.54,84.44 138.81,86.17 U5.13 ; 57.43,84.44 29.81,84.44 U1.13
Net-(U2-COM): length 83.3
  Top w0.25: 40.89,77.85 36.17,77.85 33.02,74.7 33.02,66.29 36.83,62.48 95,62.48 U9.21
Net-(U3-COM): length 57.4
  Top w0.25: U9.20 96.77,63.25 65.02,63.25 60.96,67.31 60.96,74.96 63.83,77.83 U3.1
Net-(U4-COM): length 33
  Top w0.25: U9.19 98.55,64.01 90.42,64.01 88.9,65.53 88.9,74.88 91.85,77.83 U4.1
Net-(U5-COM): length 32.9
  Top w0.25: U5.1 119.74,77.8 116.84,74.9 116.84,66.04 114.81,64.01 107.19,64.01 U9.18
Net-(U6-COM): length 58.2
  Top w0.25: U6.1 147.85,77.8 144.78,74.73 144.78,65.79 142.24,63.25 108.97,63.25 U9.17
Net-(U7-0_CS1_D7): length 47.2
  Top w0.25: U7.2 66.04,10.92 v1(64.52,12.45) ; SW2.1 34.33,31.5 36.42,33.59 45.91,33.59 50.29,29.21 v1(50.29,25.65)
  Bottom w0.25: v1(64.52,12.45) 64.07,12.9 64.07,15.43 55.57,23.93 52.01,23.93 v1(50.29,25.65)
Net-(U7-1_MISO1_D6): length 117.7
  Top w0.25: U7.3 65.28,6.86 65.28,3.56 62.23,0.51 3.94,0.51 0.51,3.94 0.51,20.83 15.87,36.19 R7.1
Net-(U7-2_OUT2_D5): length 49.5
  Top w0.25: SW2.2 46.1,34.04 52.58,27.56 v1(52.58,25.65) ; v1(65.53,13.21) 68.07,13.21 U7.4
  Bottom w0.25: v1(52.58,25.65) 53.85,24.38 55.75,24.38 64.52,15.62 64.52,14.22 v1(65.53,13.21)
Net-(U7-3_LRCLK2_D4): length 52.3
  Top w0.25: SW1.1 41.4,39.37 v1(55.12,25.65) ; U7.5 69.85,13.97 v1(66.8,13.97)
  Bottom w0.25: v1(66.8,13.97) v1(55.12,25.65)
Net-(U7-5VI/O): length 10.2
  Top w0.4: 58.52,33.53 63.5,28.55 U7.54
Net-(U7-11_MOSI): length 41.2
  Top w0.25: U7.13 97.03,13.21 102.87,13.21 v1(105.41,15.75) ; v1(108.46,38.35) 109.47,39.37 R14.1
  Bottom w0.25: v1(105.41,15.75) 105.41,29.21 U9.13 108.46,32.26 v1(108.46,38.35)
Net-(U7-12_MISO): length 29.9
  Top w0.25: R12.1 101.6,34.22 U9.11
  Bottom w0.25: U7.14 100.33,13.97 100.33,29.21 U9.11
Net-(U7-13_SCK): length 13.6
  Top w0.25: U7.41 97.64,26.53 100.19,26.53 U9.12 104.14,34.22 R13.1
Net-(U7-14_A0): length 6.1
  Top w0.25: U9.9 96.52,29.21 93.98,26.67 U7.42
Net-(U7-15_A1): length 6.1
  Top w0.25: U7.43 91.44,26.67 93.98,29.21 U9.8
Net-(U7-16_A2): length 6.1
  Top w0.25: U9.7 91.44,29.21 88.9,26.67 U7.44
Net-(U7-17_A3): length 6.1
  Top w0.25: U9.6 88.9,29.21 86.36,26.67 U7.45
Net-(U7-18_SDA_A4): length 6.1
  Top w0.25: U9.5 86.36,29.21 83.82,26.67 U7.46
Net-(U7-19_SCL_A5): length 6.1
  Top w0.25: U9.4 83.82,29.21 81.28,26.67 U7.47
Net-(U7-22_A8_TP2): length 47
  Top w0.25: U7.50 58.42,40.64 36.83,40.64 35.56,41.91 SW1.2
Net-(U7-28_RX7): length 26.3
  Top w0.25: U7.20 114.81,13.21 135.54,13.21 136.43,12.32
Net-(U7-29_TX7): length 28.8
  Top w0.25: v1(132.33,2.54) 136.3,6.51 U8.5 ; U7.21 121.92,2.54 v1(125.22,2.54)
  Bottom w0.25: v1(132.33,2.54) v1(125.22,2.54)
Net-(U7-30_CRX3): length 14.6
  Top w0.25: 130.78,8.51 118.49,8.51 U7.22
Net-(U7-31_CTX3): length 12.3
  Top w0.25: U7.23 121.54,12.32 130.78,12.32
Net-(U7-39_A15_L6): length 28.8
  Top w0.25: U9.14 127,41.28 112.97,27.24 108.52,27.24 U7.37
Net-(U7-40_A16_L7): length 33.5
  Top w0.25: U9.15 122.43,41.15 122.43,37.34 112.78,27.69 106.43,27.69 U7.38
Net-(U7-41_A17): length 38.2
  Top w0.25: U9.16 121.98,43.24 121.98,37.53 112.59,28.14 104.34,28.14 U7.39
Net-(U12-3Vo): length 38.5
  Top w0.25: U12.17 U12.15 214.38,42.16 214.38,18.8 U12.3
Net-(U12-CS): length 109.2
  Top w0.25: v1(196.34,19.56) 118.62,19.56 v1(117.35,18.29) ; U12.7 209.3,26.92 v1(203.71,26.92)
  Bottom w0.25: v1(203.71,26.92) v1(196.34,19.56) ; U7.19 v1(117.35,18.29)
Net-(U12-D/C): length 130
  Top w0.25: 169.93,22.64 171.62,22.64 179.63,30.65 208.11,30.65 U12.8 ; 169.93,22.64 145.07,22.64 v1(143.26,20.83) ; 169.93,22.64 170.91,22.64 170.94,22.61 ; U7.12 98.04,16.76 139.19,16.76 v1(140.21,17.78)
  Bottom w0.25: v1(140.21,17.78) v1(143.26,20.83)
Net-(U12-IRQ): length 141.1
  Top w0.25: U7.8 91.64,20.52 130.5,20.52 133.97,23.99 171.06,23.99 179.07,32 204.72,32 U12.12
Net-(U12-LITE): length 136.5
  Top w0.25: U7.9 93.73,20.07 133.6,20.07 137.08,23.54 171.25,23.54 179.26,31.55 209.35,31.55 U12.10
Net-(U12-RESET): length 130.9
  Top w0.25: v1(138.43,20.83) 140.69,23.09 171.43,23.09 179.45,31.1 208.67,31.1 209.3,30.48 U12.9 ; U7.11 91.5,12.76 93.41,12.76 97.92,17.27 134.87,17.27 v1(135.38,17.78)
  Bottom w0.25: v1(135.38,17.78) v1(138.43,20.83)
